# Altium PCB k210-core.PcbDoc (part 1 of 3)
Units mil, origin at the board's own origin, x right, y up, seen from the top; angles counter-clockwise.
Board outline 1855.97 x 1306.99 mil, 4 copper layers (Top Layer, GND, PWR, Bottom Layer), stack 53.912 mil thick; 94 components, 107 nets, 519 pads, 220 vias.
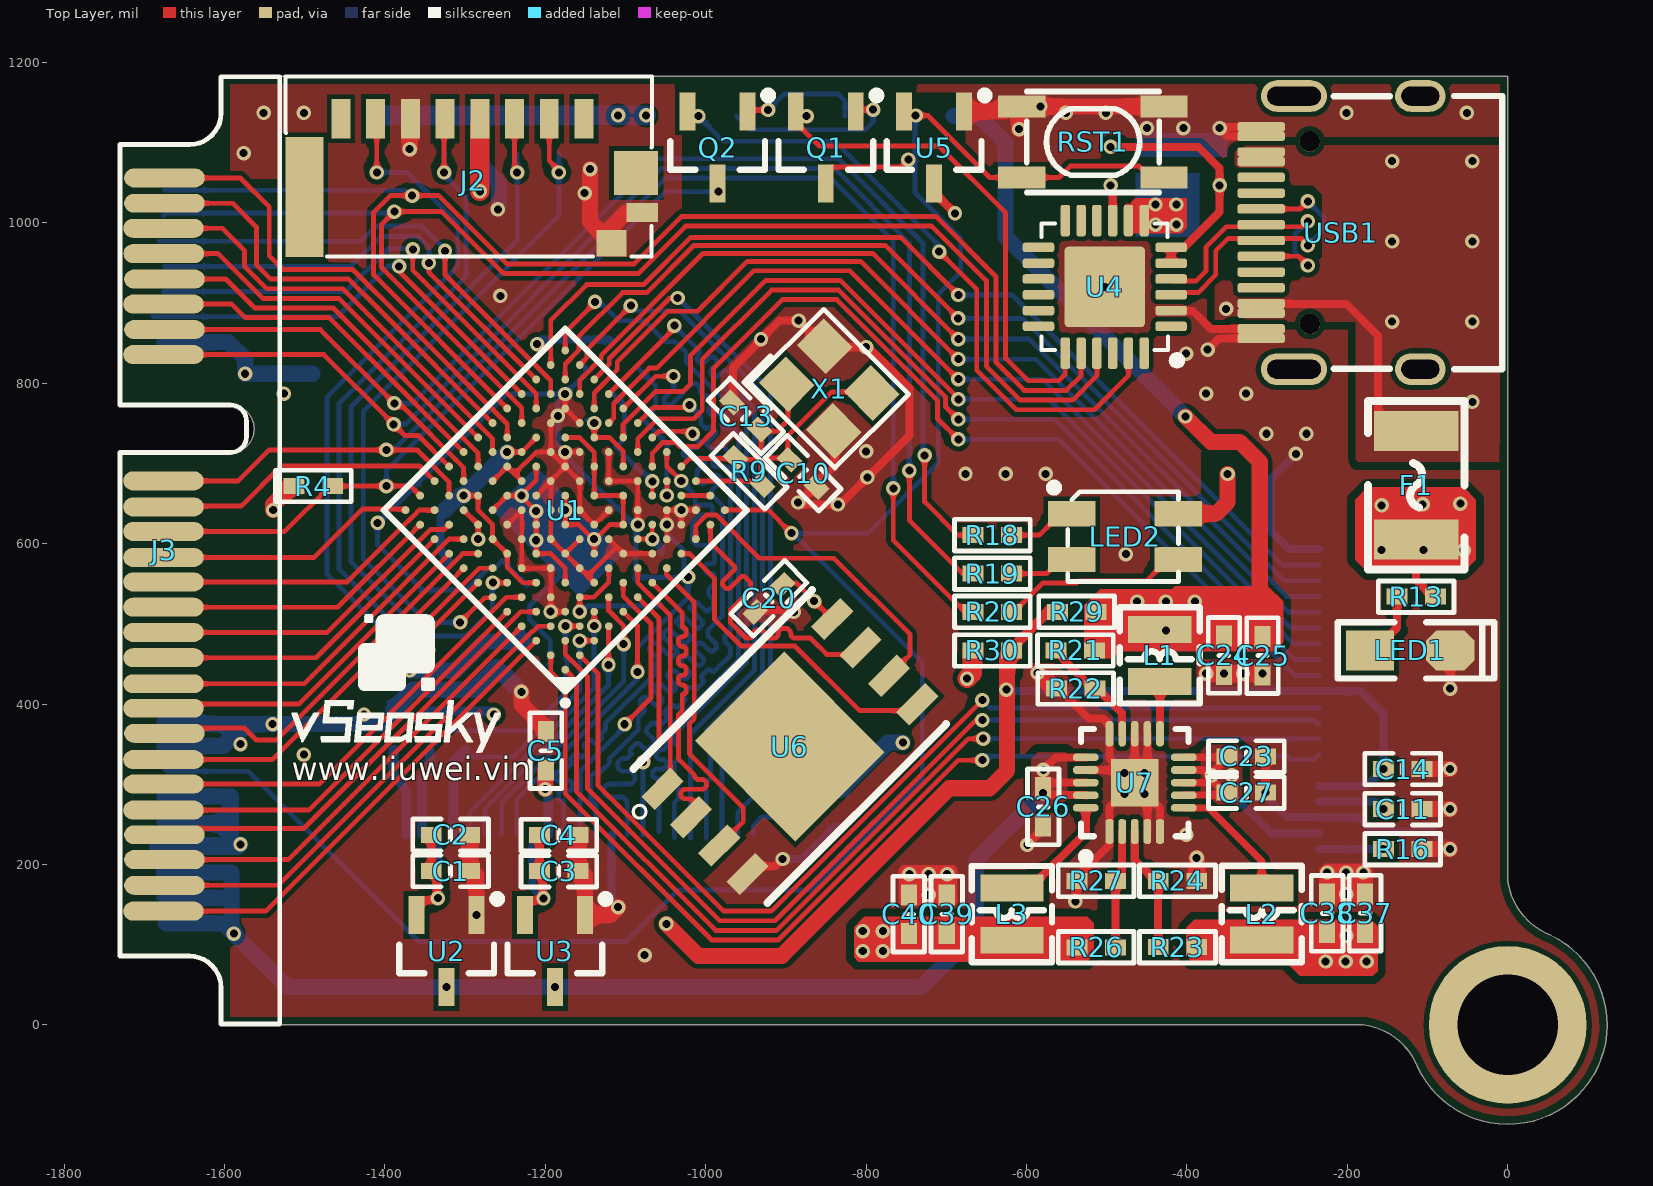
[diagram p0: Top Layer view]
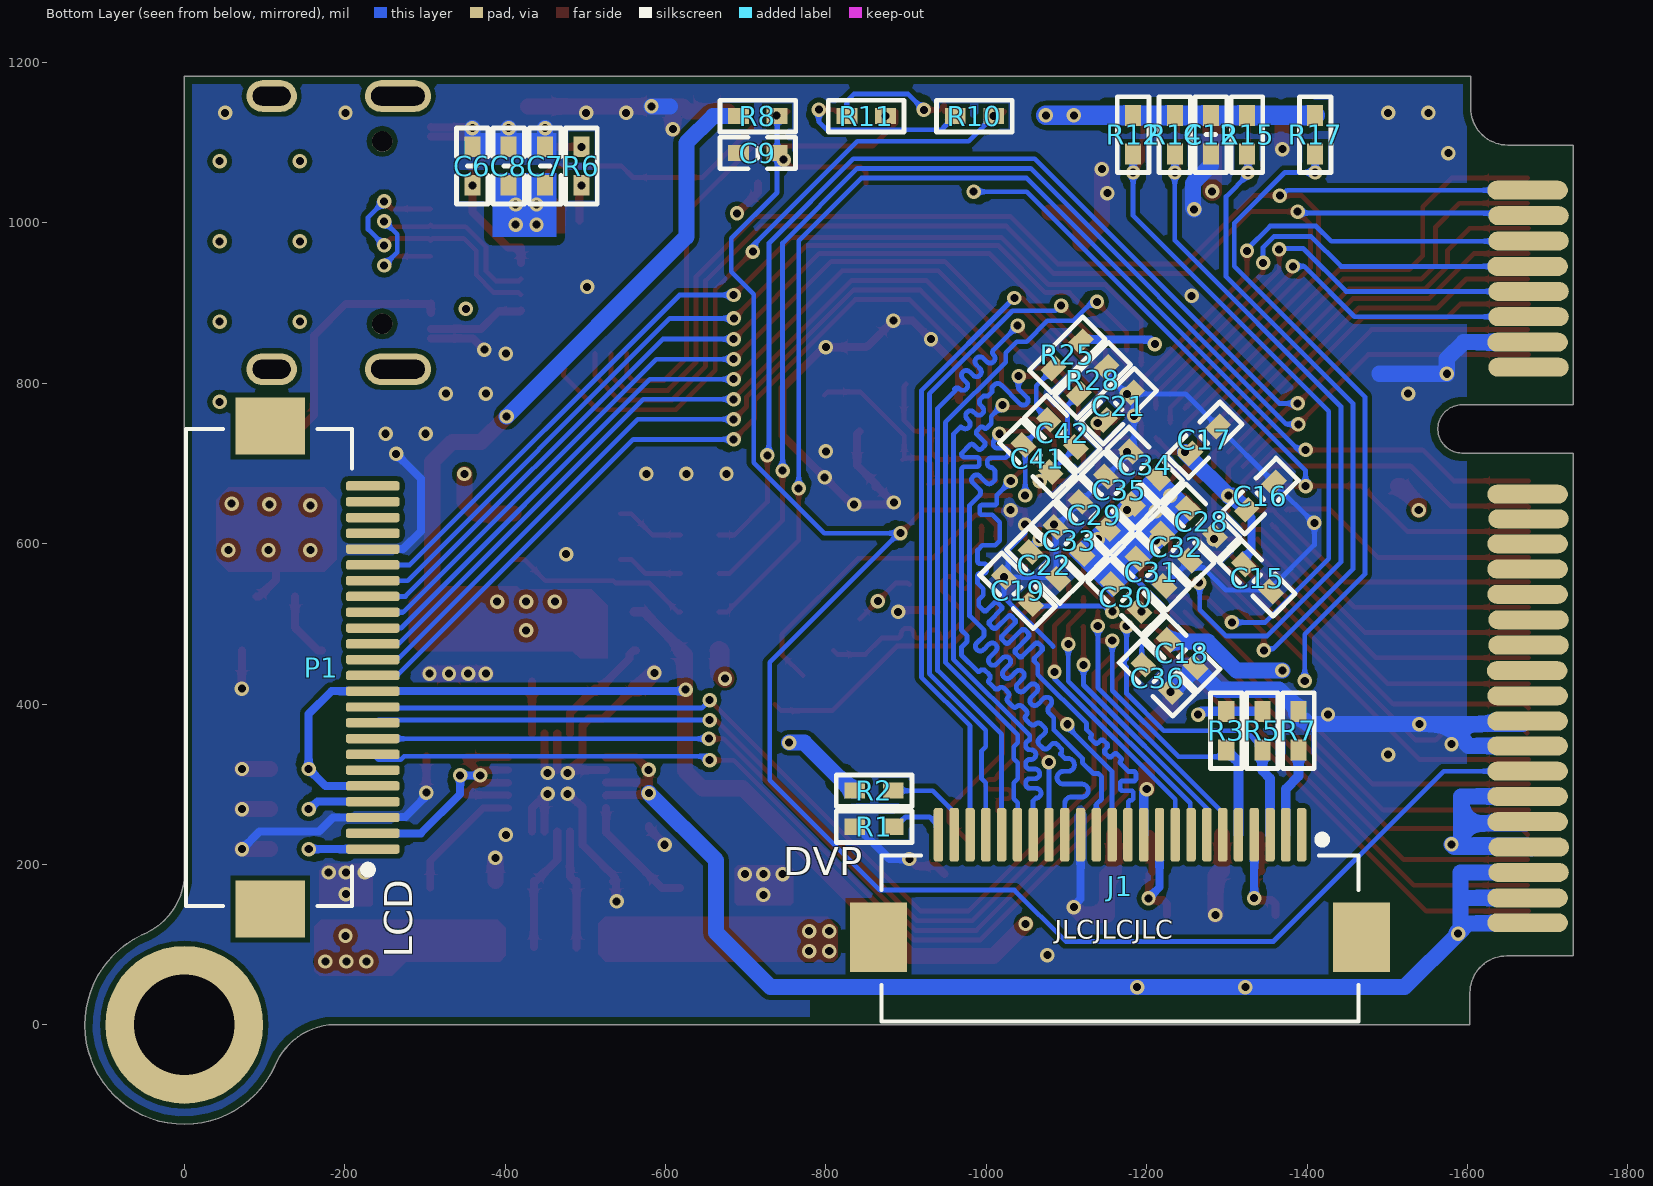
[diagram p1: Bottom Layer view, seen from below]
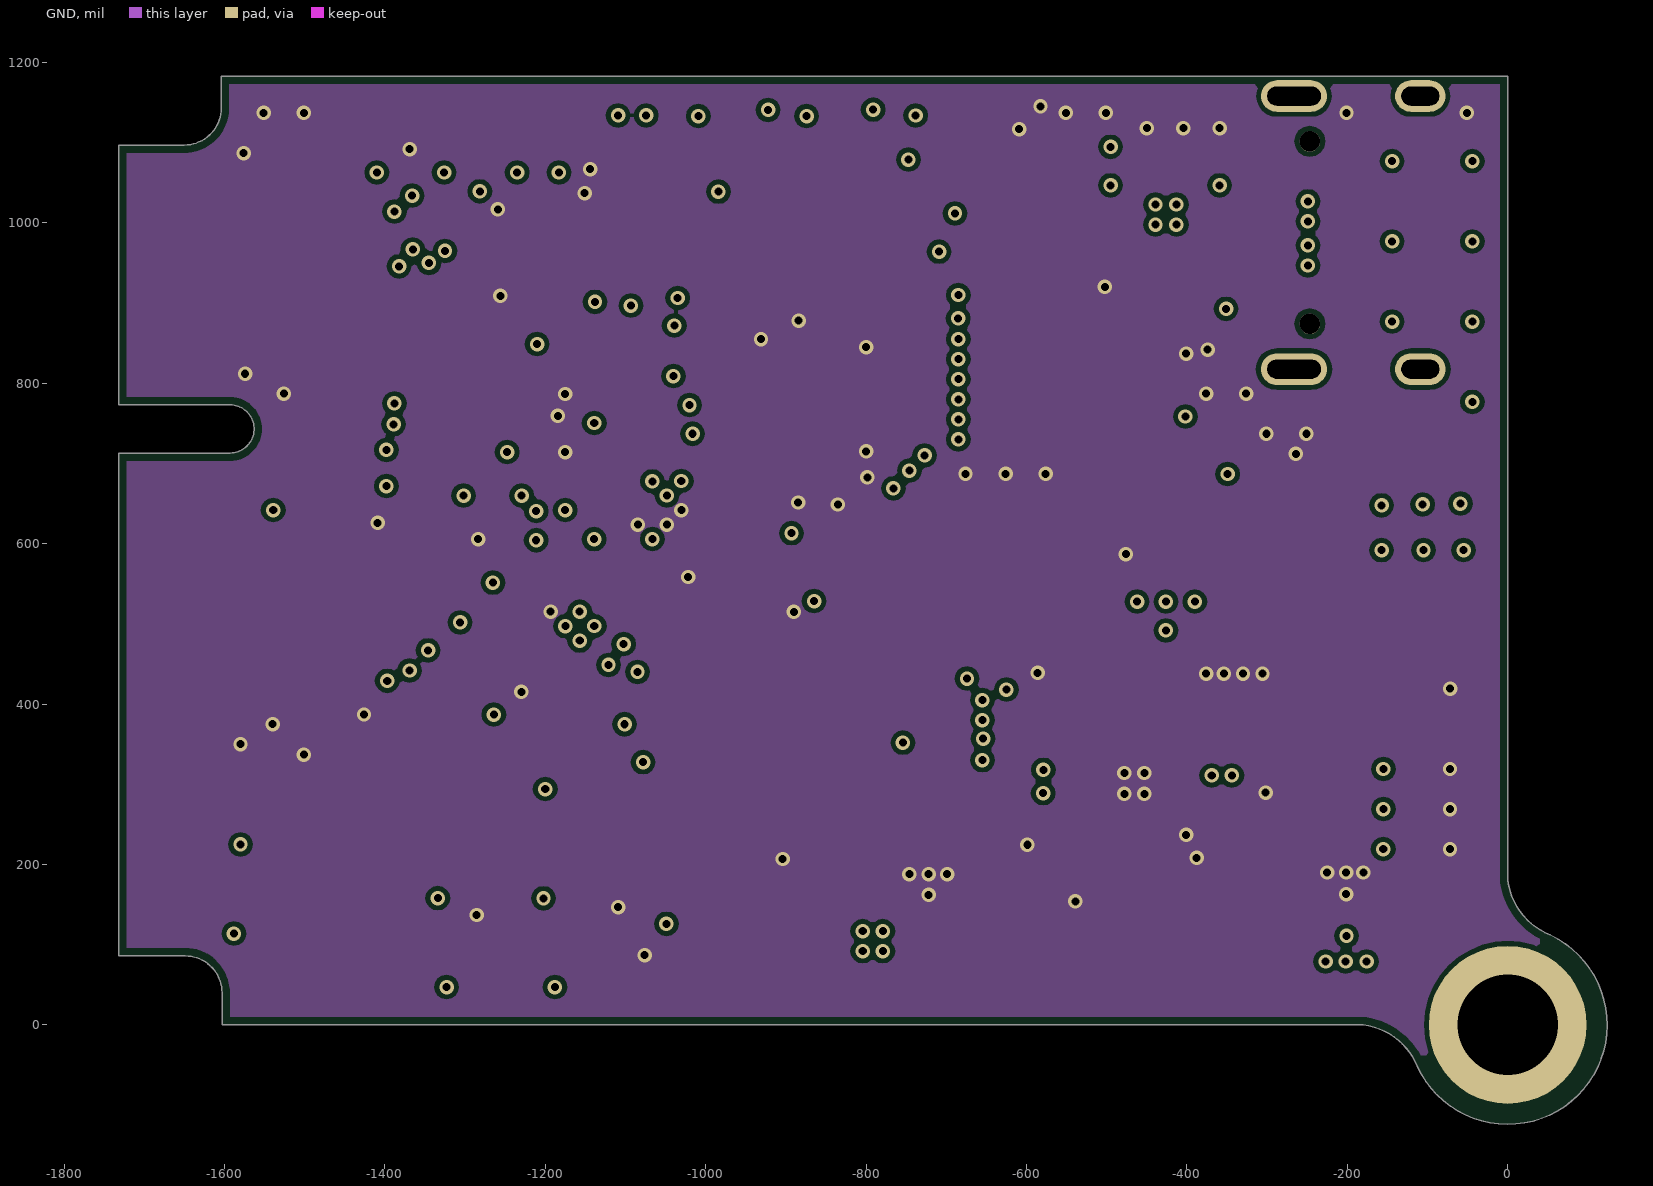
[diagram p2: GND]
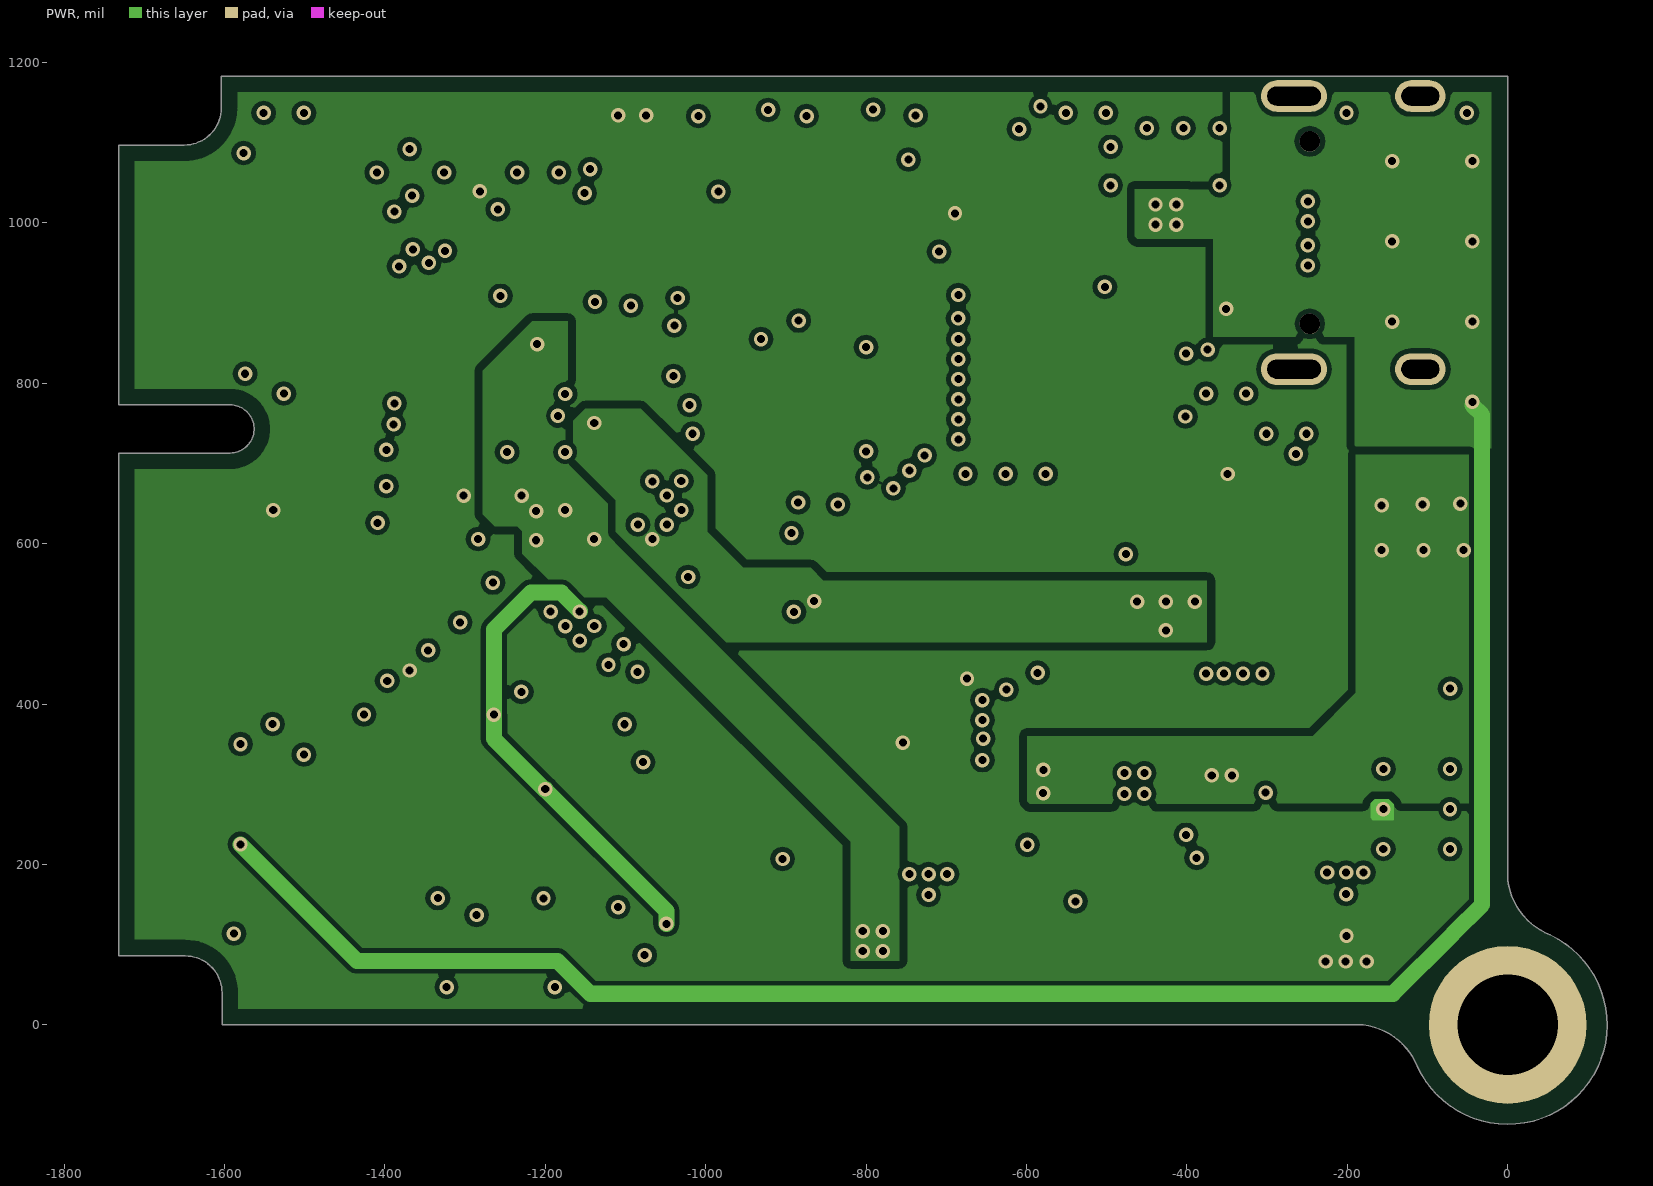
[diagram p3: PWR]
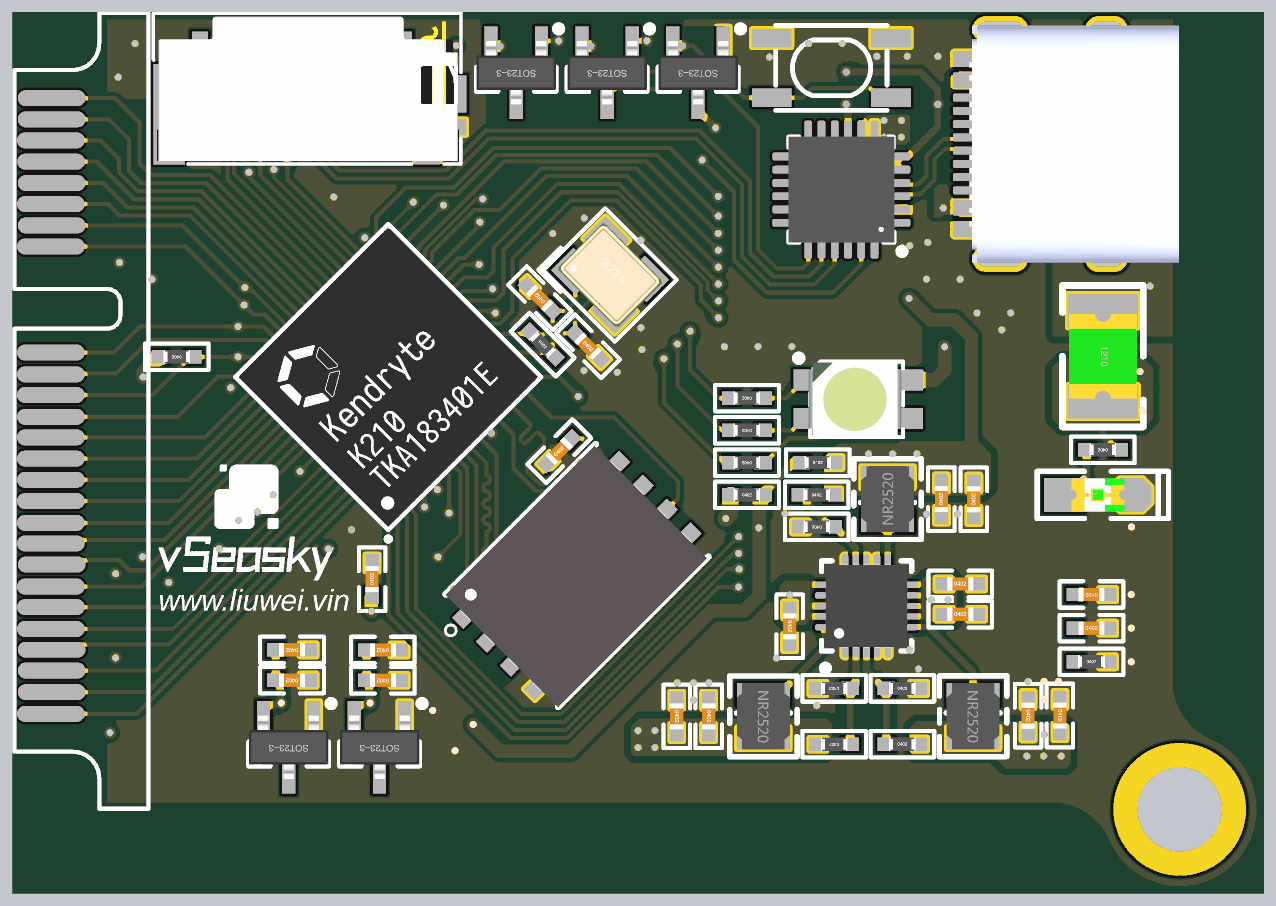
[diagram p6: 3D render of the assembled board from above, using the file's embedded part models]
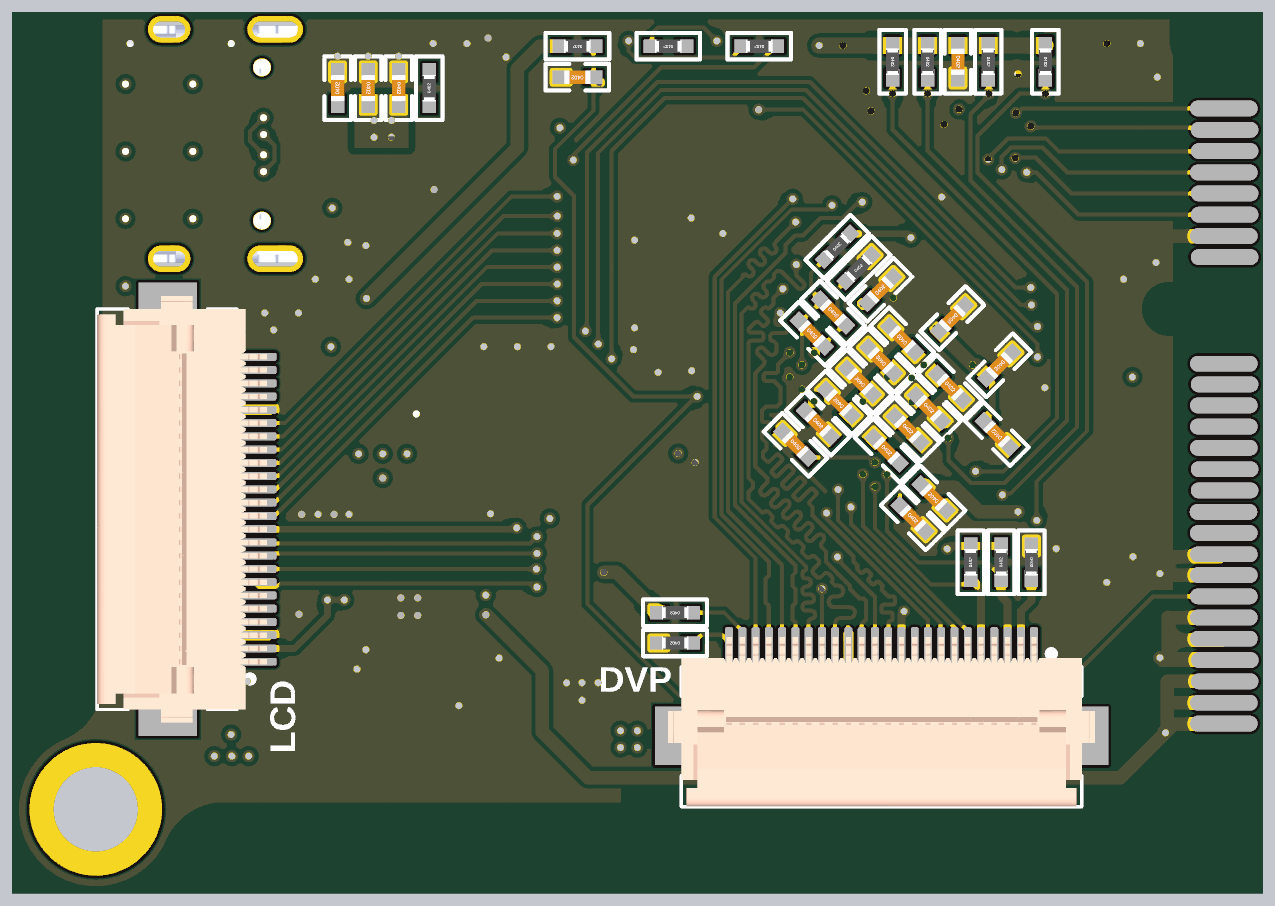
[diagram p7: 3D render of the assembled board from below, using the file's embedded part models]

## Layer stack, top to bottom
Top Solder: solder mask 1, SM-001, Dk 4
Top Layer: signal copper 1.378
Dielectric 1: prepreg 5.1, PP-017, Dk 4.3
Dielectric 2: prepreg 5.1, PP-017, Dk 4.3
GND: signal copper 1.378
Dielectric 3: core 28, Core-039, Dk 4.8
PWR: signal copper 1.378
Dielectric 4: prepreg 5.1, PP-017, Dk 4.3
Dielectric 5: prepreg 5.1, PP-017, Dk 4.3
Bottom Layer: signal copper 1.378
Bottom Solder: solder mask 1, SM-001, Dk 4

## Board outline
-1732,86.23 -1650,86.23 -1649,86 cw(c-1649,40) -1603,40 -1603,0 -180,0 cw(c-191,-84) -112.27,-52.71 -112.62,-51.9 ccw(c0,0) 53.04,112.08 52.71,112.27 cw(c84,191) 0,180 0,1183 -1604,1183 -1604,1143 cw(c-1650,1143) -1650,1097 -1732,1097 -1732,773 -1593,773 cw(c-1593,743) -1593,713 -1732,713

## Design rules (kind name [scope] priority, off if disabled: settings)
BoardOutlineClearance pow [OnLayer('PWR')] p1: gap=20 ignorepadtopadclearanceinfootprint=FALSE except(0: Arc-SplitContinuation Track-SplitContinuation SMDPad-SplitContinuation THPad-SplitContinuation Via-SplitContinuation Fill-SplitContinuation Poly-SplitContinuation Region-SplitContinuation Text-SplitContinuation)
BoardOutlineClearance [All] p2: gap=10 ignorepadtopadclearanceinfootprint=FALSE except(0: Arc-SplitContinuation Track-SplitContinuation SMDPad-SplitContinuation THPad-SplitContinuation Via-SplitContinuation Fill-SplitContinuation Poly-SplitContinuation Region-SplitContinuation Text-SplitContinuation)
Clearance K210BGA [U1 vs InNet('No Net')] p1: gap=4 ignorepadtopadclearanceinfootprint=TRUE except(0: Arc-Hole Track-Hole SMDPad-Hole THPad-Hole Via-Hole Fill-Hole Poly-Hole Region-Hole Text-Hole)
Clearance ALL [All] p2: gap=4 ignorepadtopadclearanceinfootprint=TRUE except(6: Arc-Fill Arc-Poly Arc-Region Track-Fill Track-Poly Track-Region SMDPad-Fill SMDPad-Poly SMDPad-Region THPad-Fill THPad-Poly THPad-Region Via-Fill Via-Poly Via-Region; 10: Fill-Fill Fill-Poly Fill-Region Poly-Poly Poly-Region Region-Region)
DiffPairsRouting USBDiffPairsRouting [InDifferentialPair ('USB')] p1: maxlimit=10 minlimit=6 mostfreqgap=6 toplayer_minwidth=6 toplayer_maxwidth=15 toplayer_prefwidth=6 midlayer1_minwidth=6 midlayer1_maxwidth=15 midlayer1_prefwidth=6 midlayer2_minwidth=6 midlayer2_maxwidth=15 midlayer2_prefwidth=6 bottomlayer_minwidth=6 bottomlayer_maxwidth=15 bottomlayer_prefwidth=6 substack1={3FE9F013-8F7B-4F06-8399-F64B1B35D915} toplayer_{3fe9f013-8f7b-4f06-8399-f64b1b35d915}_minwidth=15 toplayer_{3fe9f013-8f7b-4f06-8399-f64b1b35d915}_maxwidth=15 toplayer_{3fe9f013-8f7b-4f06-8399-f64b1b35d915}_prefwidth=15 midlayer1_{3fe9f013-8f7b-4f06-8399-f64b1b35d915}_minwidth=15 midlayer1_{3fe9f013-8f7b-4f06-8399-f64b1b35d915}_maxwidth=15 midlayer1_{3fe9f013-8f7b-4f06-8399-f64b1b35d915}_prefwidth=15 midlayer2_{3fe9f013-8f7b-4f06-8399-f64b1b35d915}_minwidth=15 midlayer2_{3fe9f013-8f7b-4f06-8399-f64b1b35d915}_maxwidth=15 midlayer2_{3fe9f013-8f7b-4f06-8399-f64b1b35d915}_prefwidth=15 bottomlayer_{3fe9f013-8f7b-4f06-8399-f64b1b35d915}_minwidth=15 bottomlayer_{3fe9f013-8f7b-4f06-8399-f64b1b35d915}_maxwidth=15 bottomlayer_{3fe9f013-8f7b-4f06-8399-f64b1b35d915}_prefwidth=15 substack2={E61280EA-8BA8-4AD1-9B3E-8791EE92C985} toplayer_{e61280ea-8ba8-4ad1-9b3e-8791ee92c985}_minwidth=15 toplayer_{e61280ea-8ba8-4ad1-9b3e-8791ee92c985}_maxwidth=15 toplayer_{e61280ea-8ba8-4ad1-9b3e-8791ee92c985}_prefwidth=15 midlayer1_{e61280ea-8ba8-4ad1-9b3e-8791ee92c985}_minwidth=15 midlayer1_{e61280ea-8ba8-4ad1-9b3e-8791ee92c985}_maxwidth=15 midlayer1_{e61280ea-8ba8-4ad1-9b3e-8791ee92c985}_prefwidth=15 midlayer2_{e61280ea-8ba8-4ad1-9b3e-8791ee92c985}_minwidth=15 midlayer2_{e61280ea-8ba8-4ad1-9b3e-8791ee92c985}_maxwidth=15 midlayer2_{e61280ea-8ba8-4ad1-9b3e-8791ee92c985}_prefwidth=15 bottomlayer_{e61280ea-8ba8-4ad1-9b3e-8791ee92c985}_minwidth=15 bottomlayer_{e61280ea-8ba8-4ad1-9b3e-8791ee92c985}_maxwidth=15 bottomlayer_{e61280ea-8ba8-4ad1-9b3e-8791ee92c985}_prefwidth=15 substack3={197E1D32-04F3-463D-AF31-E47ADC85A7BE} toplayer_{197e1d32-04f3-463d-af31-e47adc85a7be}_minwidth=15 toplayer_{197e1d32-04f3-463d-af31-e47adc85a7be}_maxwidth=15 toplayer_{197e1d32-04f3-463d-af31-e47adc85a7be}_prefwidth=15 midlayer1_{197e1d32-04f3-463d-af31-e47adc85a7be}_minwidth=15 midlayer1_{197e1d32-04f3-463d-af31-e47adc85a7be}_maxwidth=15 midlayer1_{197e1d32-04f3-463d-af31-e47adc85a7be}_prefwidth=15 midlayer2_{197e1d32-04f3-463d-af31-e47adc85a7be}_minwidth=15 midlayer2_{197e1d32-04f3-463d-af31-e47adc85a7be}_maxwidth=15 midlayer2_{197e1d32-04f3-463d-af31-e47adc85a7be}_prefwidth=15 bottomlayer_{197e1d32-04f3-463d-af31-e47adc85a7be}_minwidth=15 bottomlayer_{197e1d32-04f3-463d-af31-e47adc85a7be}_maxwidth=15 bottomlayer_{197e1d32-04f3-463d-af31-e47adc85a7be}_prefwidth=15 maxuncoupledlength=500
DiffPairsRouting [All] p2: maxlimit=10 minlimit=10 mostfreqgap=10 toplayer_minwidth=15 toplayer_maxwidth=15 toplayer_prefwidth=15 midlayer1_minwidth=15 midlayer1_maxwidth=15 midlayer1_prefwidth=15 midlayer2_minwidth=15 midlayer2_maxwidth=15 midlayer2_prefwidth=15 bottomlayer_minwidth=15 bottomlayer_maxwidth=15 bottomlayer_prefwidth=15 substack1={3FE9F013-8F7B-4F06-8399-F64B1B35D915} toplayer_{3fe9f013-8f7b-4f06-8399-f64b1b35d915}_minwidth=15 toplayer_{3fe9f013-8f7b-4f06-8399-f64b1b35d915}_maxwidth=15 toplayer_{3fe9f013-8f7b-4f06-8399-f64b1b35d915}_prefwidth=15 midlayer1_{3fe9f013-8f7b-4f06-8399-f64b1b35d915}_minwidth=15 midlayer1_{3fe9f013-8f7b-4f06-8399-f64b1b35d915}_maxwidth=15 midlayer1_{3fe9f013-8f7b-4f06-8399-f64b1b35d915}_prefwidth=15 midlayer2_{3fe9f013-8f7b-4f06-8399-f64b1b35d915}_minwidth=15 midlayer2_{3fe9f013-8f7b-4f06-8399-f64b1b35d915}_maxwidth=15 midlayer2_{3fe9f013-8f7b-4f06-8399-f64b1b35d915}_prefwidth=15 bottomlayer_{3fe9f013-8f7b-4f06-8399-f64b1b35d915}_minwidth=15 bottomlayer_{3fe9f013-8f7b-4f06-8399-f64b1b35d915}_maxwidth=15 bottomlayer_{3fe9f013-8f7b-4f06-8399-f64b1b35d915}_prefwidth=15 substack2={E61280EA-8BA8-4AD1-9B3E-8791EE92C985} toplayer_{e61280ea-8ba8-4ad1-9b3e-8791ee92c985}_minwidth=15 toplayer_{e61280ea-8ba8-4ad1-9b3e-8791ee92c985}_maxwidth=15 toplayer_{e61280ea-8ba8-4ad1-9b3e-8791ee92c985}_prefwidth=15 midlayer1_{e61280ea-8ba8-4ad1-9b3e-8791ee92c985}_minwidth=15 midlayer1_{e61280ea-8ba8-4ad1-9b3e-8791ee92c985}_maxwidth=15 midlayer1_{e61280ea-8ba8-4ad1-9b3e-8791ee92c985}_prefwidth=15 midlayer2_{e61280ea-8ba8-4ad1-9b3e-8791ee92c985}_minwidth=15 midlayer2_{e61280ea-8ba8-4ad1-9b3e-8791ee92c985}_maxwidth=15 midlayer2_{e61280ea-8ba8-4ad1-9b3e-8791ee92c985}_prefwidth=15 bottomlayer_{e61280ea-8ba8-4ad1-9b3e-8791ee92c985}_minwidth=15 bottomlayer_{e61280ea-8ba8-4ad1-9b3e-8791ee92c985}_maxwidth=15 bottomlayer_{e61280ea-8ba8-4ad1-9b3e-8791ee92c985}_prefwidth=15 substack3={197E1D32-04F3-463D-AF31-E47ADC85A7BE} toplayer_{197e1d32-04f3-463d-af31-e47adc85a7be}_minwidth=15 toplayer_{197e1d32-04f3-463d-af31-e47adc85a7be}_maxwidth=15 toplayer_{197e1d32-04f3-463d-af31-e47adc85a7be}_prefwidth=15 midlayer1_{197e1d32-04f3-463d-af31-e47adc85a7be}_minwidth=15 midlayer1_{197e1d32-04f3-463d-af31-e47adc85a7be}_maxwidth=15 midlayer1_{197e1d32-04f3-463d-af31-e47adc85a7be}_prefwidth=15 midlayer2_{197e1d32-04f3-463d-af31-e47adc85a7be}_minwidth=15 midlayer2_{197e1d32-04f3-463d-af31-e47adc85a7be}_maxwidth=15 midlayer2_{197e1d32-04f3-463d-af31-e47adc85a7be}_prefwidth=15 bottomlayer_{197e1d32-04f3-463d-af31-e47adc85a7be}_minwidth=15 bottomlayer_{197e1d32-04f3-463d-af31-e47adc85a7be}_maxwidth=15 bottomlayer_{197e1d32-04f3-463d-af31-e47adc85a7be}_prefwidth=15 maxuncoupledlength=500
MatchedLengths USBMatchedLengths [InDifferentialPair ('USB')] p1: tolerance=5 checknetsindiffpair=FALSE checkdiffpairvsdiffpair=TRUE checkxsignals=TRUE checkothers=TRUE
MatchedLengths FLASH [InNetClass('flash')] p2: tolerance=50 checknetsindiffpair=FALSE checkdiffpairvsdiffpair=TRUE checkxsignals=TRUE checkothers=TRUE
PlaneConnect [All] p1: planeconnectstyle=Direct reliefexpansion=20 reliefentries=4 reliefconductorwidth=10 reliefairgap=10
PolygonConnect [All] p1: connectstyle=Direct reliefconductorwidth=10 reliefentries=4 polygonreliefangle="90 Angle" airgapwidth=10
RoutingVias [All] p1: holewidth=10 width=16 viastyle="Through Hole" minholewidth=8 minwidth=14 maxholewidth=12 maxwidth=24
SolderMaskExpansion [All] p1: expansion=4 istentingtop=FALSE
Width [U1] p1: maxlimit=6 minlimit=6 preferedwidth=6 substack1={3FE9F013-8F7B-4F06-8399-F64B1B35D915} substack2={E61280EA-8BA8-4AD1-9B3E-8791EE92C985} substack3={197E1D32-04F3-463D-AF31-E47ADC85A7BE}
Width Width_1 [All] p2: maxlimit=200 minlimit=6 preferedwidth=6 substack1={3FE9F013-8F7B-4F06-8399-F64B1B35D915} substack2={E61280EA-8BA8-4AD1-9B3E-8791EE92C985} substack3={197E1D32-04F3-463D-AF31-E47ADC85A7BE}